# KiCad board Block.kicad_pcb (continued)
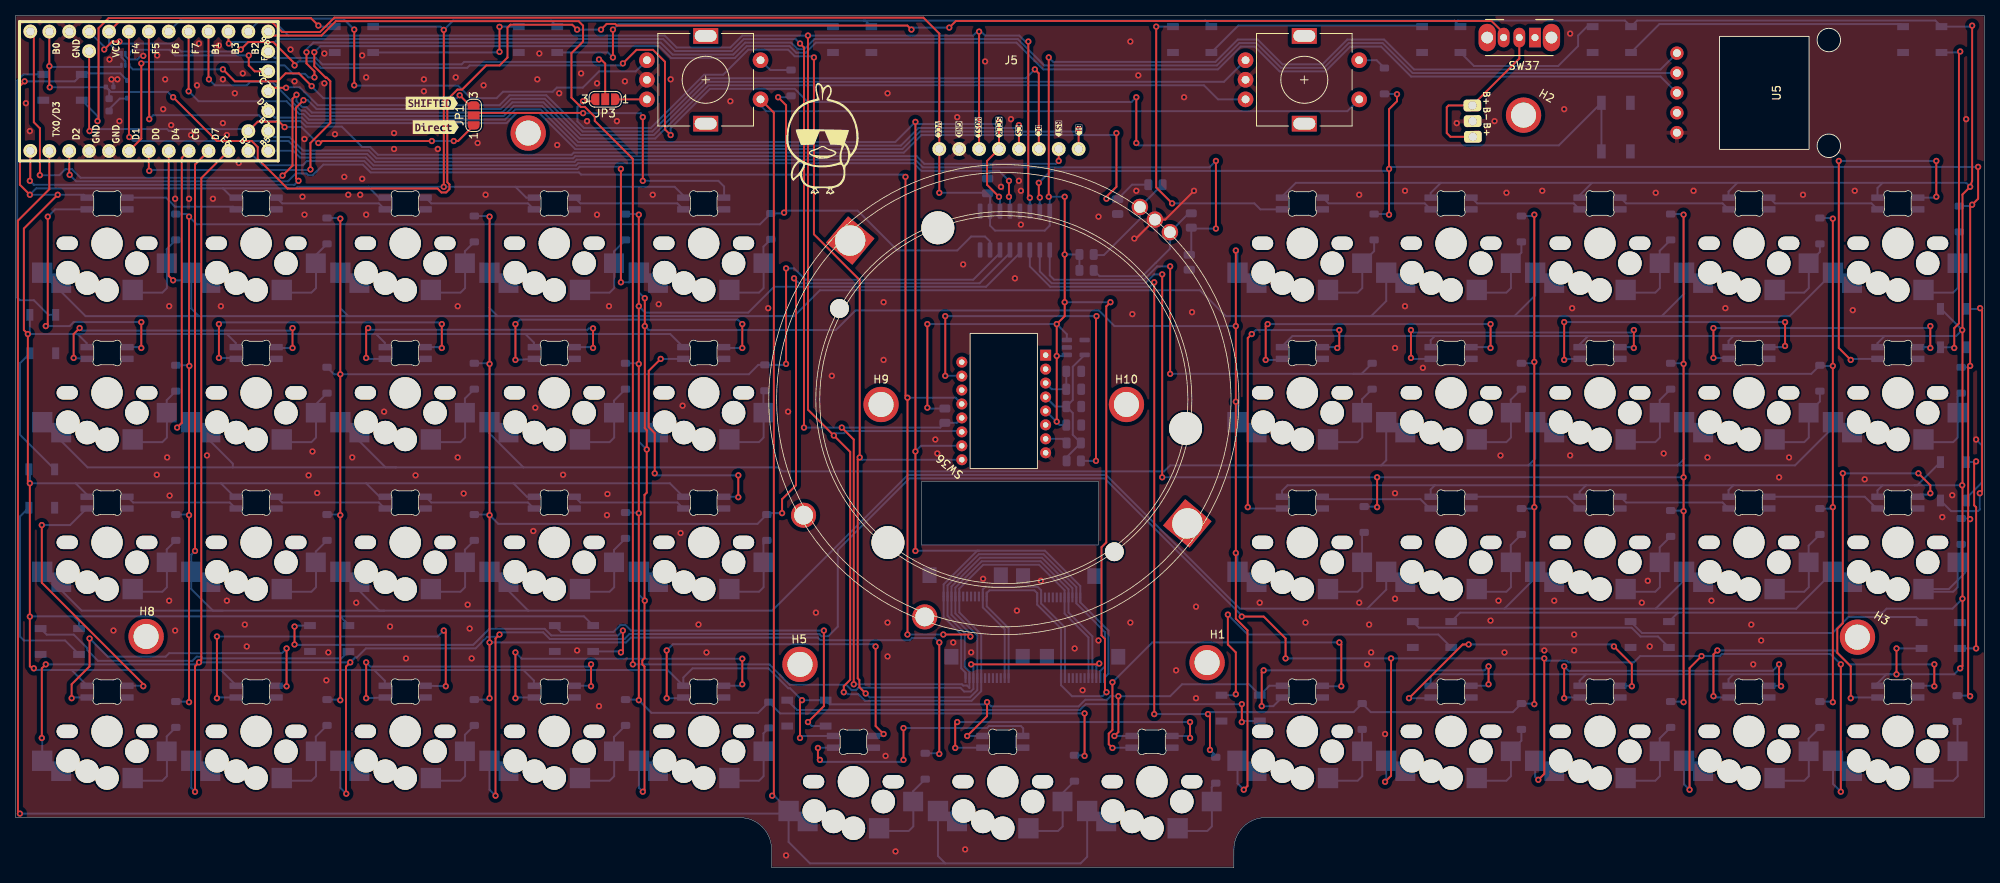
[diagram p0: board, top side]
## Nets
GND: C1.2 C2.2 C3.2 C4.1 C5.2 C6.2 C7.2 C8.2 D37.3 D38.3 D39.3 D41.3 D42.3 D44.3 D45.3 D46.3 D47.3 D48.3 D49.3 D50.3 D51.3 D52.3 D53.3 D54.3 D55.3 D56.3 D57.3 D58.3 D59.3 D60.3 D61.3 D62.3 D63.3 D64.3 D65.3 D66.3 D67.3 D68.3 D69.3 D70.3 D71.3 D72.3 D73.3 D74.3 D83.3 D84.3 D85.3 D86.3 D87.3 D88.3 D89.3 D90.3 D91.3 D92.3 D93.3 D94.3 D95.3 D96.3 D97.3 D98.3 D99.3 D100.3 D101.3 D102.3 D103.3 D104.3 D105.3 D106.3 D107.3 D108.3 D109.3 J1.2 J2.11 J3.2 J4.2 J5.2 J6.11 SW35.2 SW36.C SW47.C SW48.C U1.3 U1.4 U1.23 U2.8 U2.13 U3.2 U4.8 U5.5 U6.2
VCC: C1.1 C5.1 J1.1 J2.12 J3.1 J5.1 J6.12 R3.2 R5.2 R6.2 U1.21 U2.10 U2.16 U3.1 U3.3 U4.5 U5.1 U6.1 U6.5
VDD: C2.1 R1.1 R2.2 U3.5 U4.4
bat+: J4.1 J4.3 SW37.2
col0: D1.2 D2.2 D3.2 D6.2 D36.2 D75.2 U2.7
col1: D4.2 D5.2 D7.2 D10.2 D76.2 U2.6
col2: D8.2 D9.2 D11.2 D12.2 D15.2 D77.2 U2.5
col3: D13.2 D14.2 D16.2 D17.2 D20.2 D78.2 U2.4
col4: D18.2 D19.2 D21.2 D22.2 D23.2 D79.2 U2.3
col5: D24.2 D25.2 D26.2 D27.2 D80.2 U2.2
col6: D28.2 D29.2 D30.2 D31.2 D81.2 U2.1
col7: D32.2 D33.2 D34.2 D35.2 D43.2 D82.2 U2.15
EncL: C7.1 R4.1 U1.20
EncL_1: JP3.1 SW48.B
EncL_2: SW47.B U1.32
EncR: C8.1 R7.1 U1.19
EncR_1: SW48.A U1.18
EncR_2: SW47.A U1.31
GPIO16: JP3.2 U1.29
LED_3V3: U1.28 U6.3
LED_5V: JP1.1 U1.30
LED_DO: D46.4 JP1.2
LED_PWR: D37.1 D38.1 D39.1 D40.1 D41.1 D42.1 D44.1 D45.1 D46.1 D47.1 D48.1 D49.1 D50.1 D51.1 D52.1 D53.1 D54.1 D55.1 D56.1 D57.1 D58.1 D59.1 D60.1 D61.1 D62.1 D63.1 D64.1 D65.1 D66.1 D67.1 D68.1 D69.1 D70.1 D71.1 D72.1 D73.1 D74.1 D83.1 D84.1 D85.1 D86.1 D87.1 D88.1 D89.1 D90.1 D91.1 D92.1 D93.1 D94.1 D95.1 D96.1 D97.1 D98.1 D99.1 D100.1 D101.1 D102.1 D103.1 D104.1 D105.1 D106.1 D107.1 D108.1 D109.1
LED_SHFT_5V: JP1.3 U6.4
MISO: J1.11 J2.2 J3.11 J6.2 R3.1 U1.15 U4.12
MOSI: J1.8 J2.5 J3.8 J5.3 J6.5 U1.14 U2.14 U4.11
MOTION: J1.9 J2.4 J3.9 J6.4 JP3.3 U4.9
NCS: J1.10 J2.3 U1.2 U4.13
NCS_2: J3.10 J6.3 U1.13
RAW: C6.1 F1.2 SW37.3 U1.24 U6.6
RESET: SW35.1 U1.22
row_0: SW1.1 SW4.1 SW8.1 SW13.1 SW18.1 SW24.1 SW28.1 SW32.1 U1.7
row_1: SW2.1 SW5.1 SW9.1 SW14.1 SW19.1 SW25.1 SW29.1 SW33.1 U1.8
row_2: SW6.1 SW10.1 SW15.1 SW20.1 SW23.1 SW27.1 SW30.1 SW46.1 U1.9
row_3: SW3.1 SW7.1 SW11.1 SW16.1 SW21.1 SW26.1 SW31.1 SW34.1 U1.10
row_4: SW38.1 SW39.1 SW40.1 SW41.1 SW42.1 SW43.1 SW44.1 SW45.1 U1.11
row_5: SW12.1 SW17.1 SW22.1 SW47.S1 SW48.S1 U1.1
SCL: U1.6 U5.3
SCLK: J1.12 J2.1 J3.12 J5.4 J6.1 U1.16 U2.11 U4.10
SDA: U1.5 U5.2
SR_CS: U1.12 U2.12
TFT_BL: J5.8 U1.26
TFT_CS: J5.5 U1.17
TFT_DC: J5.6 U1.27
TFT_RST: J5.7 U1.25
Net-(D1-K): D1.1 SW1.2
Net-(D2-K): D2.1 SW2.2
Net-(D3-K): D3.1 SW3.2
Net-(D4-K): D4.1 SW4.2
Net-(D5-K): D5.1 SW5.2
Net-(D6-K): D6.1 SW6.2
Net-(D7-K): D7.1 SW7.2
Net-(D8-K): D8.1 SW8.2
Net-(D9-K): D9.1 SW9.2
Net-(D10-K): D10.1 SW10.2
Net-(D11-K): D11.1 SW11.2
Net-(D12-K): D12.1 SW12.2
Net-(D13-K): D13.1 SW13.2
Net-(D14-K): D14.1 SW14.2
Net-(D15-K): D15.1 SW15.2
Net-(D16-K): D16.1 SW16.2
Net-(D17-K): D17.1 SW17.2
Net-(D18-K): D18.1 SW18.2
Net-(D19-K): D19.1 SW19.2
Net-(D20-K): D20.1 SW20.2
Net-(D21-K): D21.1 SW21.2
Net-(D22-K): D22.1 SW22.2
Net-(D23-K): D23.1 SW23.2
Net-(D24-K): D24.1 SW24.2
Net-(D25-K): D25.1 SW25.2
Net-(D26-K): D26.1 SW26.2
Net-(D27-K): D27.1 SW27.2
Net-(D28-K): D28.1 SW28.2
Net-(D29-K): D29.1 SW29.2
Net-(D30-K): D30.1 SW30.2
Net-(D31-K): D31.1 SW31.2
Net-(D32-K): D32.1 SW32.2
Net-(D33-K): D33.1 SW33.2
Net-(D34-K): D34.1 SW34.2
Net-(D35-K): D35.1 SW47.S2
Net-(D36-K): D36.1 SW48.S2
Net-(D37-DIN): D37.4 D38.2
Net-(D37-DOUT): D37.2 D99.4
Net-(D38-DIN): D38.4 D39.2
Net-(D39-DIN): D39.4 D94.2
Net-(D40-A): D40.2 F1.1
Net-(D41-DIN): D41.4 D85.2
Net-(D41-DOUT): D41.2 D52.4
Net-(D42-DIN): D42.4 D88.2
Net-(D42-DOUT): D42.2 D49.4
Net-(D43-K): D43.1 SW46.2
Net-(D44-DIN): D44.4 D86.2
Net-(D44-DOUT): D44.2 D50.4
Net-(D45-DIN): D45.4 D89.2
Net-(D45-DOUT): D45.2 D51.4
Net-(D46-DOUT): D46.2 D53.4
Net-(D47-DIN): D47.4 D90.2
Net-(D47-DOUT): D47.2 D54.4
Net-(D48-DIN): D48.4 D91.2
Net-(D48-DOUT): D48.2 D55.4
Net-(D49-DOUT): D49.2 D56.4
Net-(D50-DOUT): D50.2 D57.4
Net-(D51-DOUT): D51.2 D58.4
Net-(D52-DOUT): D52.2 D59.4
Net-(D53-DOUT): D53.2 D60.4
Net-(D54-DOUT): D54.2 D61.4
Net-(D55-DOUT): D55.2 D62.4
Net-(D56-DOUT): D56.2 D63.4
Net-(D57-DOUT): D57.2 D64.4
Net-(D58-DOUT): D58.2 D65.4
Net-(D59-DOUT): D59.2 D66.4
Net-(D60-DOUT): D60.2 D67.4
Net-(D61-DOUT): D61.2 D68.4
Net-(D62-DOUT): D62.2 D69.4
Net-(D63-DOUT): D63.2 D70.4
Net-(D64-DOUT): D64.2 D71.4
Net-(D65-DOUT): D65.2 D72.4
Net-(D66-DOUT): D66.2 D73.4
Net-(D67-DOUT): D67.2 D74.4
Net-(D68-DOUT): D68.2 D83.4
Net-(D69-DOUT): D69.2 D84.4
Net-(D70-DOUT): D70.2 D86.4
Net-(D71-DOUT): D71.2 D87.4
Net-(D72-DOUT): D72.2 D88.4
Net-(D73-DOUT): D73.2 D89.4
Net-(D74-DOUT): D74.2 D90.4
Net-(D75-K): D75.1 SW38.2
Net-(D76-K): D76.1 SW39.2
Net-(D77-K): D77.1 SW40.2
Net-(D78-K): D78.1 SW41.2
Net-(D79-K): D79.1 SW42.2
Net-(D80-K): D80.1 SW43.2
Net-(D81-K): D81.1 SW44.2
Net-(D82-K): D82.1 SW45.2
Net-(D83-DOUT): D83.2 D91.4
Net-(D84-DOUT): D84.2 D85.4
Net-(D87-DOUT): D87.2 D92.4
Net-(D92-DOUT): D92.2 D98.4
Net-(D93-DIN): D93.4 D95.2
Net-(D94-DIN): D94.4 D96.2
Net-(D95-DIN): D95.4 D97.2
Net-(D96-DIN): D96.4 D98.2
Net-(D97-DIN): D97.4 D99.2
Net-(D100-DIN): D93.2 D100.4
Net-(D100-DOUT): D100.2 D101.4
Net-(D101-DOUT): D101.2 D102.4
Net-(D102-DOUT): D102.2 D103.4
Net-(D103-DOUT): D103.2 D104.4
Net-(D104-DOUT): D104.2 D105.4
Net-(D105-DOUT): D105.2 D106.4
Net-(D106-DOUT): D106.2 D107.4
Net-(D107-DOUT): D107.2 D109.4
Net-(D108-DIN): D108.4 D109.2
Net-(R4-Pad2): R4.2 R5.1 SW36.A
Net-(R6-Pad1): R6.1 R7.2 SW36.B
Net-(U4-LED_P): R1.2 U4.15
Net-(U4-VDDPIX): C3.1 C4.2 U4.3
Net-(U4-~{NRESET}): R2.1 U4.7

Pads without a net: D108 2; H1 1; H2 1; H3 1; H4 1; H5 1; H8 1; H9 1; H10 1; J1 3 4 5 6 7 13 14; J2 6 7 8 9 10 13 14; J3 3 4 5 6 7 13 14; J6 6 7 8 9 10 13 14; SW36 MP; SW37 1; SW47 MP; SW48 MP; U2 9; U3 4; U4 1 2 6 14 16; U5 4

## Via types
v1: diameter 0.8, hole 0.4, Top to Bottom, 548 vias

## Routing (per net, layer and track width the routed paths; a pad name or vN(x,y) marks a point on that pad's centre or on a via; arc(x,y) is an arc through that point)
GND: length 56.2
  Top w0.25: v1(150.4,86.36) 146.72,82.68 SW36.C 142.99,80.26 v1(142.78,80.26)
  Bottom w0.25: v1(250.22,54.61) 250.95,53.89 250.95,49.1 248.97,47.13 D37.3 ; C6.2 12.47,100.08 v1(12.22,100.58) 12.22,100.33 ; v1(16.29,103.58) 15.98,103.58 15.52,103.12 14.43,103.12 14,103.55 14,104.07 ; J3.2 133.93,30.63 130.88,33.67 J1.2 130.88,35.37 130.43,35.81 123.77,35.81 123.44,35.49 J2.11 123.44,33.18 126.23,30.39 J6.11
  vias: v1(1.3,97.54) v1(1.81,93.98) v1(11.97,103.12) v1(12.48,30.23) v1(12.99,100.58) v1(13.24,95.25) v1(18.07,103.63) v1(18.01,50.11) v1(18.83,96.77) v1(19.08,100.58) v1(19.34,52.32) v1(19.59,71.63) v1(19.65,47.45) v1(19.59,34.04) v1(19.84,94.74) v1(20.35,85.34) v1(20.35,30.23) v1(22.13,85.34) v1(22.38,93.47) v1(23.15,99.82) v1(23.4,105.16) v1(24.42,52.58) v1(25.18,85.34) v1(25.94,104.9) v1(26.19,71.63) v1(26.45,100.58) v1(26.45,95) v1(26.96,93.47) v1(26.96,34.04) v1(27.97,98.81) v1(28.48,89.92) v1(28.99,101.35) v1(29.24,30.99) v1(29.5,28.19) v1(35.08,104.39) v1(35.59,100.33) v1(36.61,85.6) v1(36.86,92.96) v1(36.86,83.31) v1(37.39,50.04) v1(37.88,53.09) v1(38.48,47.79) v1(39.4,103.89) v1(39.4,100.08) v1(39.66,23.88) v1(39.91,27.43) v1(40.75,93.58) v1(41.94,88.14) v1(42.45,85.85) v1(42.96,52.32) v1(43.47,33.78) v1(43.97,85.85) v1(44.23,103.63) v1(44.23,87.88) v1(44.74,100.84) v1(44.74,83.31) v1(47.02,58.17) v1(47.78,30.73) v1(48.29,93.73) v1(48.29,91.69) v1(49.82,26.67) v1(51.04,50.04) v1(52.1,100.58) v1(52.1,99.06) v1(53.88,91.69) v1(56.17,100.84) v1(56.42,71.63) v1(56.42,52.32) v1(57.18,47.72) v1(57.69,33.53) v1(57.94,30.48) v1(58.2,26.67) v1(58.96,92.46) v1(59.72,99.82) v1(59.98,85.85) v1(66.07,42.93) v1(66.33,58.67) v1(66.58,100.58) v1(66.83,103.89) v1(69.12,92.2) v1(69.37,98.81) v1(69.87,50.11) v1(71.66,27.69) v1(72.17,101.35) v1(72.93,95.25) v1(74.2,100.08) v1(74.2,83.31) v1(74.45,20.57) v1(75.47,44.96) v1(75.53,47.65) v1(75.72,71.63) v1(76.74,95.25) v1(77.76,100.33) v1(81.31,85.85) v1(82.07,71.88) v1(83.6,100.58) v1(84.87,42.67) v1(85.12,58.93) v1(87.15,30.99) v1(88.17,27.43) v1(91.22,97.79) v1(96.04,71.37) v1(98.33,1.52) v1(98.58,58.17) v1(102.14,32.51) v1(104.17,62.74) v1(110.78,72.14) v1(110.78,64.77) v1(111.03,14.22) v1(111.28,98.81) v1(111.28,31.24) v1(111.28,26.92) v1(112.3,2.03) v1(117.38,54.61) v1(117.63,52.83) v1(119.67,28.7) v1(120.17,95.76) v1(120.94,76.96) v1(121.19,2.29) v1(121.95,27.43) v1(123.48,36.83) v1(123.73,102.87) v1(125.76,86.87) v1(127.03,95.5) v1(127.54,75.18) v1(127.79,32.77) v1(128.05,87.63) v1(128.3,86.36) v1(128.3,82.04) v1(130.84,36.58) v1(135.16,27.94) v1(136.18,22.61) v1(138.21,83.06) v1(138.21,28.96) v1(142.27,105.41) v1(142.27,31.24) v1(142.53,70.61) v1(143.03,86.36) v1(143.29,101.09) v1(148.11,25.15) v1(149.13,98.3) v1(150.15,70.87) v1(150.65,33.27) v1(150.65,21.59) v1(158.78,33.78) v1(164.62,31.24) v1(171.48,85.85) v1(171.48,33.78) v1(172.5,25.91) v1(172.75,30.99) v1(173.01,27.43) v1(174.78,17.02) v1(176.05,66.29) v1(176.05,47.75) v1(176.05,34.29) v1(177.32,86.36) v1(177.32,71.63) v1(179.61,63.75) v1(183.93,95) v1(188.25,31.5) v1(188.75,95.25) v1(189.26,34.04) v1(189.52,52.58) v1(190.02,27.43) v1(190.28,86.11) v1(194.85,86.36) v1(195.1,27.69) v1(196.37,34.04) v1(197.64,96.77) v1(198.41,106.43) v1(198.41,52.58) v1(198.66,71.37) v1(198.91,29.72) v1(198.91,27.69) v1(207.55,33.78) v1(208.31,36.58) v1(208.57,28.19) v1(209.33,86.11) v1(210.34,52.83) v1(214.15,86.36) v1(215.93,52.32) v1(216.44,34.04) v1(218.22,71.37) v1(221.52,30.99) v1(221.77,25.91) v1(222.79,28.96) v1(225.08,49.78) v1(226.35,52.32) v1(228.12,85.85) v1(234.47,71.12) v1(234.73,86.36) v1(236,49.53) v1(245.9,44.7) v1(247.17,47.5) v1(248.95,95.5)
VCC: length 428.1
  Top w0.25: v1(139.22,22.35) 139.03,22.55 139.03,29.16 138.59,29.6 138.59,40.87 139.2,41.48 139.2,71.61 v1(139.73,72.14) ; v1(116.36,58.67) v1(116.36,69.34) ; U1.21 13.12,107.88 32.73,107.88 33.99,106.62 38.84,106.62 40.67,108.46 115.86,108.46 117.89,106.43 J5.1 v1(117.89,86.11) ; v1(131.86,85.6) 131.86,103.63 ; v1(132.87,56.9) v1(132.87,65.28) v1(132.87,69.34) 133.89,70.36 v1(133.89,72.14) v1(133.89,78.23) v1(133.89,85.6)
  Bottom w0.25: U3.1 134.03,65.28 v1(132.87,65.28) ; U5.1 209.94,101.84 178.48,101.84 174.66,105.66 169.96,105.66 166.79,102.5 161.69,102.5 158.53,105.66 155.99,105.66 153.13,102.81 132.42,102.81 v1(131.86,103.38) ; J6.12 126.73,30.52 123.94,33.32 J2.12 123.94,35.01 124.3,35.36 130.02,35.36 130.38,35.01 J1.1 130.38,33.54 133.43,30.49 J3.1 133.43,23.24 134.82,21.84 138.72,21.84 v1(139.22,22.35) ; R5.2 R6.2 v1(133.89,78.23) ; C1.1 133.26,56.46 132.87,56.84 v1(132.87,56.9) 132.82,56.9 U4.5 ; v1(133.89,72.14) v1(139.73,72.14) ; R3.2 116.48,58.56 v1(116.36,58.67) ; U1.21 11.92,105.2 13.04,104.07 13.5,104.07 13.5,103.4 14,102.9 14,102.17 ; v1(117.89,86.11) 123.97,86.11 C5.1 124.37,85.72 124.37,81.92 125,81.28 131.35,81.28 131.98,81.92 131.98,85.47 v1(131.86,85.6) v1(133.89,85.6) ; U3.3 134.16,68.05 v1(132.87,69.34) v1(116.36,69.34)
VDD: length 19.2
  Bottom w0.25: U3.5 134.92,63.9 134.92,59.65 C2.1 ; R1.1 134.13,52.35 R2.2 134.92,55.21 134.92,58 C2.1 ; C2.1 132.67,58.82 U4.4
bat+: length 21.3
  Top w0.25: SW37.2 191.92,103.24 J4.1 182.88,97.25 182.66,97.03 182.66,93.73 183.13,93.25 J4.3
col0: length 193.5
  Top w0.25: v1(22.13,83.06) 22.13,64.05 v1(22.17,64.01) 22.13,63.97 v1(22.13,44.96) v1(22.13,21.08) ; v1(97.31,98.3) 98.33,97.28 98.33,83.82 v1(98.08,83.57)
  Bottom w0.25: v1(22.13,44.96) 22.05,45.04 D6.2 ; D3.2 22.05,21.16 v1(22.13,21.08) ; D2.2 22.09,64.09 v1(22.17,64.01) ; 124.37,78.81 124.37,79.88 123.73,80.52 121.95,80.52 120.17,78.74 112.55,78.74 107.47,83.82 98.33,83.82 v1(98.08,83.57) 97.98,83.47 D75.2 95,82.08 23.11,82.08 v1(22.13,83.06) 21.8,83.39 D1.2 ; 98.94,98.43 98.82,98.3 v1(97.31,98.3)
col1: length 167.9
  Top w0.25: v1(41.43,21.34) v1(41.43,44.96) v1(41.43,62.94) v1(41.43,82.8) ; v1(98.33,76.45) v1(98.33,64.26)
  Bottom w0.25: D10.2 41.36,45.04 v1(41.43,44.96) ; D7.2 41.36,21.41 v1(41.43,21.34) ; D5.2 40.63,62.94 93.59,62.94 94.79,64.14 D76.2 98.21,64.14 v1(98.33,64.26) ; v1(98.33,76.45) 99.36,76.45 100.8,75.01 122.22,75.01 125.63,78.43 U2.6 ; D4.2 41.36,82.88
col2: length 242.6
  Top w0.25: v1(117.89,14.48) v1(117.89,28.7) ; v1(99.35,75.18) 99.6,74.93 99.6,48.77 97.82,46.99 v1(97.82,45.21) ; v1(60.48,83.06) v1(60.48,64.26) v1(60.48,44.96) v1(60.48,21.59)
  Bottom w0.25: v1(60.48,64.26) 60.41,64.34 D9.2 ; D15.2 60.41,45.04 v1(60.48,44.96) 61.6,43.84 94.68,43.84 96.05,45.21 v1(97.82,45.21) ; v1(99.35,75.18) 99.97,74.56 123.04,74.56 126.91,78.43 U2.5 ; v1(60.48,83.06) 60.41,83.14 D8.2 ; v1(117.89,14.48) 117.81,14.56 D12.2 ; v1(60.48,21.59) 60.31,21.41 D11.2 ; v1(60.48,28.7) 77.9,28.7 78.53,29.33 102.39,29.33 102.73,28.99 114.12,28.99 114.4,29.27 117.32,29.27 v1(117.89,28.7)
col3: length 186.9
  Top w0.25: v1(79.53,21.34) v1(79.53,45.21) v1(79.53,64.26) v1(79.53,83.31) ; v1(136.43,19.64) v1(136.43,14.22)
  Bottom w0.25: D20.2 79.46,45.29 v1(79.53,45.21) ; v1(136.43,14.22) 136.35,14.3 D17.2 ; U2.4 128.17,78.43 123.86,74.11 96.81,74.11 93.5,70.81 80.35,70.81 v1(79.53,71.63) ; D13.2 79.46,83.39 v1(79.53,83.31) ; v1(136.43,19.64) 97.58,19.64 D78.2 94.76,19.72 81.15,19.72 v1(79.53,21.34) 79.46,21.41 D16.2 ; D14.2 79.46,64.34 v1(79.53,64.26)
col4: length 197.9
  Top w0.25: v1(193.83,83.31) v1(193.83,64.52) v1(193.83,45.97) v1(193.83,20.83) ; v1(152.43,14.99) 152.43,19.3 v1(152.18,19.56) ; v1(145.32,74.68) v1(145.32,19.56)
  Bottom w0.25: v1(193.83,64.52) 193.66,64.34 D19.2 ; D23.2 193.66,45.8 v1(193.83,45.97) ; D18.2 193.66,83.14 v1(193.83,83.31) ; U2.3 129.44,76.71 132.04,74.11 144.75,74.11 v1(145.32,74.68) ; v1(193.83,20.83) 193.76,20.91 D21.2 191.09,19.81 172.96,19.81 D79.2 170.77,19.81 152.43,19.81 v1(152.18,19.56) v1(145.32,19.56) ; 153.27,14.15 v1(152.43,14.99)
col5: length 186.4
  Top w0.25: v1(146.34,75.69) v1(146.34,49.78) ; v1(212.88,83.31) v1(212.88,64.26) v1(212.88,45.47) v1(212.88,21.08) ; v1(173.77,45.97) v1(173.77,49.78)
  Bottom w0.25: D80.2 173.69,46.05 v1(173.77,45.97) ; v1(146.34,49.78) v1(212.88,49.78) ; v1(212.88,21.08) 212.81,21.16 D26.2 ; v1(212.88,83.31) 212.81,83.39 D24.2 ; U2.2 130.72,76.07 132.23,74.56 144.18,74.56 145.31,75.69 v1(146.34,75.69) ; v1(212.88,64.26) 212.81,64.34 D25.2 ; D27.2 212.81,45.54 v1(212.88,45.47)
col6: length 188.1
  Top w0.25: v1(231.93,82.8) v1(231.93,64.01) v1(231.93,21.08) ; v1(147.35,76.71) v1(147.35,62.99)
  Bottom w0.25: D30.2 231.76,45.8 v1(231.93,45.97) ; U2.1 131.98,75.57 132.54,75.01 143.99,75.01 145.69,76.71 v1(147.35,76.71) ; D31.2 231.86,21.16 v1(231.93,21.08) ; D81.2 171.78,62.99 170.72,62.99 ; 170.72,62.99 v1(147.35,62.99) ; 170.72,62.99 229.19,62.99 D29.2 230.36,64.01 v1(231.93,64.01) ; D28.2 231.86,82.88 v1(231.93,82.8)
col7: length 217.8
  Top w0.25: v1(130.59,87.38) 130.59,85.62 v1(130.72,85.5) ; v1(249.46,21.84) 249.21,22.1 249.21,63.75 v1(249.46,64.01) 249.46,84.33 v1(249.71,84.58) 250.48,85.34 v1(250.48,89.41) ; v1(175.29,83.31) 175.29,96.77 176.31,97.79 v1(176.31,98.68)
  Bottom w0.25: v1(176.31,98.68) 176.26,98.73 D35.2 ; v1(250.48,89.41) 175.55,89.41 v1(175.29,89.15) 175.04,88.9 132.11,88.9 v1(130.59,87.38) ; v1(249.71,84.58) 249.54,84.41 D32.2 ; D34.2 249.38,21.92 v1(249.46,21.84) ; D43.2 249.38,44.53 v1(249.46,44.45) ; D82.2 175.21,83.39 v1(175.29,83.31) ; D33.2 249.28,63.83 v1(249.46,64.01) ; v1(130.72,85.5) 130.72,83.76
EncL: length 169.7
  Top w0.25: U1.20 14.46,93.27 v1(14.51,93.22) ; v1(153.19,90.17) v1(153.19,81.53)
  Bottom w0.25: C7.1 150.05,78.44 R4.1 150.17,81.53 v1(153.19,81.53) ; v1(153.19,90.17) 152.37,89.35 115.79,89.35 114.81,90.33 71.61,90.33 71.33,90.05 45.87,90.05 44.87,91.05 36.49,91.05 34.83,92.71 15.02,92.71 v1(14.51,93.22)
EncL_1: length 4
  Top w0.25: 76.53,98.03 SW48.B
EncL_2: length 190.4
  Top w0.25: v1(34.07,88.3) 35.34,89.57 35.34,98.11 v1(35.85,98.62) ; U1.32 2.32,106.25 2.32,95.11 3.1,94.33 3.1,88.37 v1(3.08,88.35)
  Bottom w0.25: v1(35.85,98.62) 35.85,97.79 36.58,97.05 37.1,97.05 37.8,96.35 62.09,96.35 63.4,97.65 67.36,97.65 71.98,93.03 81.63,93.03 88.42,99.82 151.67,99.82 153.46,98.03 SW47.B ; v1(3.08,88.35) 5.58,88.35 6.34,89.12 7.19,89.12 8.29,88.02 33.79,88.02 v1(34.07,88.3)
EncR: length 153.1
  Top w0.25: v1(139.22,85.34) 139.22,85.6 140.49,86.87 v1(140.49,93.73) ; U1.19 v1(17.05,95.5)
  Bottom w0.25: R7.1 142.49,87.14 C8.1 140.6,85.34 v1(139.22,85.34) ; v1(140.49,93.73) 140.24,93.47 115.6,93.47 113.36,91.23 71.23,91.23 70.96,90.95 46.24,90.95 45.24,91.95 44.23,91.95 41.63,94.55 37.06,94.55 36.35,95.25 31.81,95.25 31.05,96.01 17.56,96.01 v1(17.05,95.5)
EncR_1: length 72.1
  Top w0.25: v1(43.21,106.93) v1(43.21,99.82)
  Bottom w0.25: U1.18 21.19,108.33 41.81,108.33 v1(43.21,106.93) ; SW48.A 79.14,101.6 74.45,101.6 72.38,99.53 69.07,99.53 68.54,99 62.2,99 61.38,98.18 58.07,98.18 56.47,99.79 43.25,99.79 v1(43.21,99.82)
EncR_2: length 176.5
  Top w0.25: v1(36.1,87.63) 35.79,87.94 35.79,96.98 v1(36.73,97.92) ; U1.31 1.87,87.69 v1(1.81,87.63)
  Bottom w0.25: SW47.A 154.22,100.27 88.24,100.27 81.44,93.48 72.17,93.48 67.54,98.1 63.21,98.1 61.9,96.8 38.4,96.8 37.28,97.92 v1(36.73,97.92) ; v1(1.81,87.63) 2.32,87.12 35.59,87.12 v1(36.1,87.63)
GPIO16: length 48.7
  Top w0.25: v1(74.45,103.12) 74.71,103.12 75.25,102.59 JP3.2
  Bottom w0.25: v1(74.45,103.12) 74.14,102.81 57.24,102.81 56.93,102.5 39.14,102.5 38.32,103.32 33.06,103.32 U1.29
LED_3V3: length 19.6
  Top w0.25: U1.28 30.51,101.6 29.75,102.36 v1(29.75,103.63)
  Bottom w0.25: 14.65,104.07 14.94,104.36 19.63,104.36 20.35,103.63 v1(29.75,103.63)
LED_5V: length 62.2
  Top w0.25: JP1.1 56.48,92.71 v1(55.91,92.71) ; v1(53.12,92.71) 39.15,92.71 38.89,92.46 v1(38.64,92.46) ; v1(34.32,94.49) 33.63,95.18 30.9,95.18 U1.30 ; v1(9.43,93.98) 9.38,94.03 U1.30
  Bottom w0.25: v1(38.64,92.46) 38.51,92.46 36.48,94.49 v1(34.32,94.49) ; v1(9.43,93.98) 9.68,94.23 19.33,94.23 19.54,94.02 20.14,94.02 20.36,94.23 29.44,94.23 U1.30 ; v1(55.91,92.71) v1(53.12,92.71)
LED_DO: length 42.3
  Top w0.25: v1(80.04,95.76) v1(80.04,87.63) ; JP1.2 58.77,96.3 72.39,96.3 v1(72.42,96.27)
  Bottom w0.25: v1(80.04,95.76) 79.79,96.27 v1(72.42,96.27) ; v1(80.04,87.63) 89.69,87.63 90.42,86.9 D46.4
LED_PWR: length 1421.1
  Top w0.25: v1(2.32,25.4) 1.81,25.65 v1(1.81,32) v1(1.81,49.02) 1.56,49.28 v1(1.56,68.07) 1.05,68.58 1.05,81.53 v1(5.37,85.85) ; v1(1.14,100.33) 0.54,99.73 0.54,87.12 v1(1.81,85.85) ; v1(248.19,25.4) 248.48,25.69 v1(248.48,34.29) 248.48,48.73 v1(248.44,48.77) 248.48,48.81 248.48,68.54 v1(248.44,68.58) 248.48,68.62 248.48,85.89 v1(249.46,86.87) 249.71,87.63 v1(249.71,107.44) ; v1(54.64,106.9) v1(54.64,86.87) ; v1(123.98,21.08) 123.98,19.3 v1(121.44,16.76) ; v1(140.24,16.76) 140.75,17.27 v1(140.75,21.84) ; v1(100.36,21.34) 100.11,21.08 v1(100.11,16.51) ; v1(240.06,24.64) v1(240.06,27.94)
  Bottom w0.25: 108.24,108.09 108.44,108.09 D108.1 ; 108.24,108.09 68.34,108.09 ; 108.24,108.09 151.84,108.09 ; 63.53,49.02 83.5,49.02 D83.1 ; 63.53,49.02 44.74,49.02 ; 63.53,49.02 65.25,47.3 D91.1 ; D50.1 237.63,66.91 238.54,67.82 ; 46.01,68.07 65.06,68.07 ; 46.01,68.07 47.12,66.96 D54.1 ; 46.01,68.07 26.96,68.07 ; 65.06,68.07 83.55,68.07 D68.1 ; 65.06,68.07 66.15,66.98 D61.1 ; 44.99,86.87 35.97,86.87 35.78,86.67 26.45,86.67 ; 44.99,86.87 46.37,85.49 D60.1 ; 44.99,86.87 v1(54.64,86.87) 63.79,86.87 ; 238.28,48.77 219.23,48.77 ; 238.28,48.77 237.63,48.12 D72.1 ; 238.28,48.77 242.35,48.77 ; 219.23,48.77 200.44,48.77 ; 219.23,48.77 218.62,48.16 D88.1 ; 201.2,87.38 199.61,85.79 D71.1 ; 201.2,87.38 181.9,87.38 ; 201.2,87.38 219.74,87.38 ; 26.19,49.02 44.74,49.02 ; 26.19,49.02 7.65,49.02 ; 26.19,49.02 27.91,47.3 D55.1 ; 44.74,49.02 46.45,47.3 D48.1 ; 181.13,48.77 180.61,48.24 D49.1 ; 181.13,48.77 162.34,48.77 161.63,48.06 D56.1 ; 181.13,48.77 200.44,48.77 ; v1(1.14,100.33) 7.54,100.33 D106.1 8.56,101.35 13.35,101.35 D40.1 ; 181.13,67.82 162.96,67.82 161.63,66.49 D63.1 ; 181.13,67.82 180.61,67.29 D70.1 ; 181.13,67.82 200.69,67.82 ; 238.28,87.38 219.74,87.38 ; 238.28,87.38 248.95,87.38 v1(249.46,86.87) ; 238.28,87.38 237.63,86.72 D57.1 ; 219.74,87.38 218.62,86.26 D64.1 ; 26.45,86.67 27.63,85.49 D67.1 ; 26.45,86.67 2.63,86.67 v1(1.81,85.85) v1(5.37,85.85) 8.69,85.85 D74.1 ; D89.1 160.02,23.18 D93.1 157.41,23.37 148.88,23.37 147.35,21.84 139.74,21.84 139.29,21.39 136.52,21.39 135.67,20.54 124.52,20.54 v1(123.98,21.08) 123.71,20.81 103.91,20.81 D100.1 100.36,21.33 98.84,22.86 98.61,22.86 96.07,25.4 86.39,25.4 85.22,24.23 D52.1 83.22,25.18 64.8,25.18 ; v1(248.48,34.29) 247.21,33.02 238.79,33.02 238.28,32.51 212.16,32.51 ; 41.43,32.04 42.47,31.01 D102.1 ; 41.43,32.04 7.91,32.04 ; 41.43,32.04 72.53,32.04 D101.1 ; 181.9,87.38 180.61,86.09 D87.1 ; 181.9,87.38 163.4,87.38 161.63,85.61 D92.1 ; 7.91,32.04 1.84,32.04 v1(1.81,32) ; 7.91,32.04 7.4,32.04 8.09,31.35 D103.1 ; 200.44,48.77 199.61,47.95 D42.1 ; 219.23,67.82 218.62,67.21 D44.1 ; 219.23,67.82 200.69,67.82 ; 219.23,67.82 238.54,67.82 ; D85.1 47.12,23.82 45.75,25.18 ; v1(240.06,27.94) 240.06,27.94 D99.1 ; 151.84,108.09 D98.1 ; 151.84,108.09 183.63,108.09 183.85,107.87 ; v1(100.11,16.51) 100.37,16.77 D59.1 ; 7.14,25.18 9.06,23.27 D69.1 ; 7.14,25.18 2.53,25.18 v1(2.32,25.4) ; 7.14,25.18 26.19,25.18 ; D51.1 199.61,23.81 200.44,24.64 ; 239.3,24.64 180.88,24.64 180.61,24.36 D45.1 ; 242.35,48.77 242.71,48.77 D37.1 ; 242.35,48.77 v1(248.44,48.77) ; v1(140.24,16.76) 140.25,16.77 D73.1 ; D95.1 184.37,32.51 212.16,32.51 ; 7.91,68.07 v1(1.56,68.07) 1.81,68.32 D105.1 ; 7.91,68.07 26.96,68.07 ; 7.91,68.07 9.06,66.92 D90.1 ; 63.79,86.87 65.17,85.49 D53.1 ; 63.79,86.87 84.11,86.87 85.22,85.75 D46.1 ; 26.96,68.07 28.09,66.94 D47.1 ; 200.69,67.82 199.61,66.74 D86.1 ; 183.85,107.87 D96.1 ; 183.85,107.87 184.07,108.09 205.4,108.09 D94.1 206.95,108.09 245.02,108.09 D39.1 249.33,107.31 v1(249.71,107.44) 249.46,107.44 ; D41.1 66.15,23.84 64.8,25.18 ; 7.65,49.02 9.06,47.61 D62.1 ; 7.65,49.02 v1(1.81,49.02) 1.81,50.66 D104.1 ; 45.75,25.18 64.8,25.18 ; 45.75,25.18 26.19,25.18 ; 219.23,24.64 218.62,24.03 D58.1 ; 238.54,67.82 247.68,67.82 v1(248.44,68.58) 245.74,71.28 D38.1 ; 68.34,108.09 55.83,108.09 v1(54.64,106.9) 54.22,107.31 D107.1 ; 68.34,108.09 D109.1 ; 212.16,32.51 D97.1 ; D65.1 237.63,23.5 238.77,24.64 v1(240.06,24.64) 247.43,24.64 v1(248.19,25.4) ; D66.1 121.45,16.77 v1(121.44,16.76) ; 26.19,25.18 28.09,23.29 D84.1
LED_SHFT_5V: length 47
  Top w0.25: v1(37.78,99.72) 36.15,101.35 34.45,101.35 33.43,100.33 27.97,100.33 v1(26.45,101.85) ; JP1.3 57.94,97.28 v1(56.67,98.55)
  Bottom w0.25: 14.65,102.17 14.97,101.85 v1(26.45,101.85) ; v1(37.78,99.72) 37.78,99.67 39.26,98.18 56.3,98.18 v1(56.67,98.55)
MISO: length 241.9
  Top w0.25: v1(105.44,56.13) 106.97,54.61 v1(106.97,23.37) ; U1.15 27.16,105.21 v1(27.21,105.16) ; v1(100.62,56.13) 100.62,104.65 v1(100.11,105.16)
  Bottom w0.25: U4.12 120.13,56.74 R3.1 117.99,56.13 v1(105.44,56.13) v1(100.62,56.13) ; J3.11 138.43,25.07 139.03,25.67 139.03,30.04 135.38,33.69 J1.11 135.38,35.78 131.19,39.97 122.93,39.97 118.94,35.98 J2.2 118.94,32.1 121.13,29.9 121.13,25.59 121.73,24.98 J6.2 121.73,22.9 121.42,23.21 120.93,23.21 120.77,23.37 v1(106.97,23.37) ; v1(27.21,105.16) 27.4,105.34 33.05,105.34 33.43,105.72 82.65,105.72 84.17,104.2 91.4,104.2 92.93,105.72 99.54,105.72 v1(100.11,105.16)
MOSI: length 303.7
  Top w0.25: v1(101.12,106.17) 101.12,58.42 v1(104.43,55.12) 106.52,53.03 106.52,23.94 105.7,23.12 v1(105.7,22.35) ; v1(129.44,85.47) 129.25,85.67 v1(129.25,105.41) ; v1(122.97,106.68) J5.3
  Bottom w0.25: v1(129.44,85.47) 129.44,83.76 ; U4.11 120.66,55.68 106.02,55.68 105.74,55.41 104.72,55.41 v1(104.43,55.12) ; v1(105.7,22.35) 105.95,22.35 106.2,22.1 107.56,22.1 108.4,21.26 122,21.26 123.23,22.49 J6.5 123.23,29.74 120.44,32.54 J2.5 120.44,35.57 123.49,38.62 130.63,38.62 133.88,35.37 J1.8 133.88,32.4 136.93,29.35 J3.8 ; U1.14 30.9,107.88 33.12,107.88 34.83,106.17 82.84,106.17 84.36,104.65 91.22,104.65 92.74,106.17 122.21,106.17 122.71,106.68 123.22,106.68 123.73,106.17 128.1,106.17 128.86,105.41 v1(129.25,105.41)
MOTION: length 196.4
  Top w0.25: JP3.3 73.69,97.79 v1(72.42,97.79) ; v1(101.89,103.38) 101.89,80.8 107.73,74.96 v1(107.73,52.32) 107.47,52.07 107.47,24.13 107.69,23.91 107.69,22.99 v1(108.49,22.19)
  Bottom w0.25: v1(107.73,52.32) 108.03,52.03 U4.9 ; v1(108.49,22.19) 108.98,21.71 121.82,21.71 122.73,22.62 J6.4 122.73,29.61 119.94,32.4 J2.4 ; v1(101.89,103.38) 101.73,103.53 99.43,103.53 98.59,104.37 93.5,104.37 90.3,101.17 87.86,101.17 81.07,94.38 72.54,94.38 71.7,95.22 71.7,97.07 v1(72.42,97.79) ; 119.94,34.04 119.94,35.71 123.3,39.07 130.81,39.07 134.38,35.5 J1.9 134.38,32.53 137.43,29.48 J3.9
NCS: length 212.9
  Top w0.25: v1(6.89,88.39) 6.84,88.45 U1.2 ; v1(118.4,29.72) 121.6,29.72 v1(121.86,29.46) ; v1(113.82,29.72) v1(113.82,59.94) 113.57,60.2 v1(113.57,88.14)
  Bottom w0.25: U4.13 119.96,59.94 v1(113.82,59.94) ; v1(121.86,29.46) 121.86,29.82 119.44,32.23 J2.3 119.44,35.84 123.11,39.52 131,39.52 134.88,35.64 J1.10 ; v1(118.4,29.72) v1(113.82,29.72) ; v1(113.57,88.14) 113.28,88.43 72.17,88.43 71.89,88.7 45.31,88.7 44.31,89.7 39.27,89.7 37.92,88.35 37.32,88.35 37.11,88.57 35.77,88.57 34.77,87.57 7.71,87.57 v1(6.89,88.39)
NCS_2: length 194
  Top w0.25: v1(78.77,25.91) 78.77,90.42 73.92,95.28 73.92,95.8 72.65,97.07 72.12,97.07 70.94,98.25 70.94,103.92 72.42,105.41 72.42,107.44 71.86,108.01 40.86,108.01 39.02,106.17 32.74,106.17 U1.13 ; v1(121.95,25.91) 138.19,25.91 v1(138.3,26.02)
  Bottom w0.25: v1(121.95,25.91) 122.23,25.63 J6.3 122.23,22.76 121.92,22.45 121.05,22.45 120.58,22.92 107.54,22.92 107.27,22.64 106.67,22.64 106,23.31 98.79,23.31 96.2,25.91 v1(78.77,25.91) ; J3.10 137.93,25.64 v1(138.3,26.02)
RAW: length 230.7
  Top w0.25: v1(74.71,106.93) 75.43,107.66 76.53,107.66 76.74,107.45 113.81,107.45 v1(114.33,106.93) ; U1.24 4.3,102.27 v1(4.3,102.27) 4.3,102.26 4.3,99.62 v1(4.35,99.57) ; v1(119.16,107.19) 120.01,108.04 188.36,108.04 189.92,106.48 SW37.3 ; v1(20.1,98.3) 25.69,92.71 30.13,92.71 30.9,91.94 30.9,90.44 34.7,86.64 53.84,86.64 54.34,86.14 54.94,86.14 55.37,86.57 55.37,87.17 55.09,87.44 55.09,98 56.37,99.28 56.97,99.28 60.06,102.36 61.76,102.36 62.77,103.37 62.77,107.19 63.14,107.56 71.04,107.56 v1(71.66,106.93)
  Bottom w0.25: v1(114.33,106.93) 114.59,107.19 v1(119.16,107.19) ; C6.1 11.51,99.6 12.14,98.98 19.42,98.98 v1(20.1,98.3) ; C6.1 11.47,99.57 v1(4.35,99.57) ; C6.1 11.93,99.2 F1.2 ; v1(74.71,106.93) v1(71.66,106.93) ; 13.35,102.17 4.4,102.17 v1(4.3,102.27)
RESET: length 226.4
  Top w0.25: v1(11.3,104.39) 12.32,105.41 v1(13.24,105.41) ; v1(143.03,92.46) v1(143.03,98.3) ; v1(83.6,93.47) 82.87,94.2 82.87,102.83 81.35,104.35 79.24,104.35 v1(77.5,102.62) ; v1(28.73,104.39) 29.68,105.34 32.87,105.34 35.59,102.62 v1(35.59,102.36)
  Bottom w0.25: v1(77.5,102.62) 77.25,102.36 57.94,102.36 57.63,102.05 38.95,102.05 38.13,102.87 36.1,102.87 v1(35.59,102.36) ; v1(28.73,104.39) 28.48,104.14 21.11,104.14 20.1,105.16 13.49,105.16 v1(13.24,105.41) ; SW35.1 SW35.1 196.97,92.16 143.33,92.16 v1(143.03,92.46) ; v1(143.03,98.3) 142.43,97.7 101.12,97.7 99.44,99.37 88.61,99.37 83.6,94.36 v1(83.6,93.47) ; v1(11.3,104.39) 11.3,104.75 U1.22
row_0: length 293
  Top w0.25: U1.7 19.54,75.49 v1(20.1,74.93)
  Bottom w0.25: SW32.1 226.41,70.36 210.09,70.36 ; SW28.1 212.95,73.22 210.09,70.36 ; v1(20.1,74.93) 21.44,74.93 SW4.1 22.41,71.34 23.4,70.36 ; 61.5,70.36 60.47,71.39 SW13.1 ; 61.5,70.36 99.35,70.36 102.65,73.66 151.16,73.66 154.46,70.36 173.01,70.36 ; 61.5,70.36 42.45,70.36 ; SW1.1 3.39,75.89 8.92,70.36 23.4,70.36 ; 23.4,70.36 42.45,70.36 ; 191.29,70.36 210.09,70.36 ; 191.29,70.36 173.01,70.36 ; 191.29,70.36 193.94,73 SW24.1 ; SW18.1 174.93,72.28 173.01,70.36 ; 42.45,70.36 41.44,71.37 SW8.1
row_1: length 314.7
  Top w0.25: v1(20.61,56.13) 21.2,56.73 21.2,90.56 U1.8
  Bottom w0.25: SW33.1 231.96,56.16 227.11,51.31 212.12,51.31 ; 193.07,51.31 174.28,51.31 ; 193.07,51.31 212.12,51.31 ; 193.07,51.31 193.94,52.18 SW25.1 ; 174.28,51.31 174.93,51.96 SW19.1 ; 174.28,51.31 147.35,51.31 146.59,50.55 97.82,50.55 97.31,51.05 64.8,51.05 ; 212.12,51.31 212.95,52.13 SW29.1 ; 27.72,51.05 9.18,51.05 3.41,56.82 SW2.1 ; 27.72,51.05 27.72,51.52 SW5.1 21.29,56.82 v1(20.61,56.13) ; 27.72,51.05 48.55,51.05 ; 48.55,51.05 47.21,51.05 SW9.1 ; 48.55,51.05 64.8,51.05 ; 64.8,51.05 60.47,55.38 SW14.1
row_2: length 341.7
  Top w0.25: U1.9 22.89,89.72 v1(22.89,40.39)
  Bottom w0.25: 172.5,33.02 174.93,35.45 SW23.1 ; 172.5,33.02 190.02,33.02 ; 172.5,33.02 156.24,33.02 139.17,50.1 113.88,50.1 96.55,32.77 65.43,32.77 ; 209.33,33.02 227.25,33.02 SW46.1 ; 209.33,33.02 190.02,33.02 ; 209.33,33.02 212.95,36.64 SW30.1 ; 190.02,33.02 193.94,36.94 SW27.1 ; 26.45,32.77 8.41,32.77 3.46,37.72 SW6.1 ; 47.02,32.77 65.43,32.77 ; 47.02,32.77 46.4,32.77 SW15.1 ; 47.02,32.77 25.18,32.77 22.41,35.53 SW10.1 22.41,39.91 v1(22.89,40.39) ; 65.43,32.77 SW20.1
row_3: length 484.7
  Top w0.25: v1(175.55,26.67) 175.55,11.68 v1(174.78,10.92) ; v1(232.95,25.91) v1(232.95,9.65) ; v1(195.1,26.67) 195.1,11.94 v1(194.34,11.18) ; v1(22.89,9.65) 22.89,25.65 v1(23.4,26.16) 23.69,26.45 23.69,87.97 U1.10 ; v1(61.25,9.14) 61.25,29.21 v1(61.75,29.72) ; v1(162.08,26.67) 162.08,29.22 159.3,32 v1(156.5,32) ; v1(215.17,26.96) 213.65,25.44 v1(213.65,9.91) ; v1(42.2,9.4) 42.16,9.44 42.16,25.62 v1(42.7,26.16) ; v1(3.84,25.91) 3.33,25.4 v1(3.33,16.51)
  Bottom w0.25: v1(194.34,11.18) 193.94,11.58 SW26.1 ; SW16.1 60.47,9.92 v1(61.25,9.14) ; v1(162.08,26.67) v1(175.55,26.67) v1(195.1,26.67) 195.4,26.38 197.94,26.38 198.16,26.16 206.53,26.16 207.33,26.96 217.5,26.96 217.78,27.24 231.62,27.24 v1(232.95,25.91) ; SW7.1 22.41,10.13 v1(22.89,9.65) ; SW34.1 231.96,10.64 v1(232.95,9.65) ; v1(3.33,16.51) 3.39,16.46 SW3.1 ; v1(3.84,25.91) 23.15,25.91 v1(23.4,26.16) v1(42.7,26.16) 43.33,26.78 43.54,26.78 44.7,27.95 58.7,27.95 60.18,29.43 61.46,29.43 v1(61.75,29.72) 62.03,29.99 67.33,29.99 68.17,29.15 77.72,29.15 78.34,29.78 102.58,29.78 102.86,29.5 103.7,29.5 104.93,30.73 104.93,40.51 114.07,49.65 138.98,49.65 156.5,32.13 v1(156.5,32) ; v1(213.65,9.91) 212.95,10.6 SW31.1 ; SW21.1 174.93,11.07 v1(174.78,10.92) ; v1(42.2,9.4) 41.44,10.15 SW11.1
